# Allegro board RK_EVB7_RK3588_LP4XD200P232SD8_V11_20230111YWQ.brd (continued)
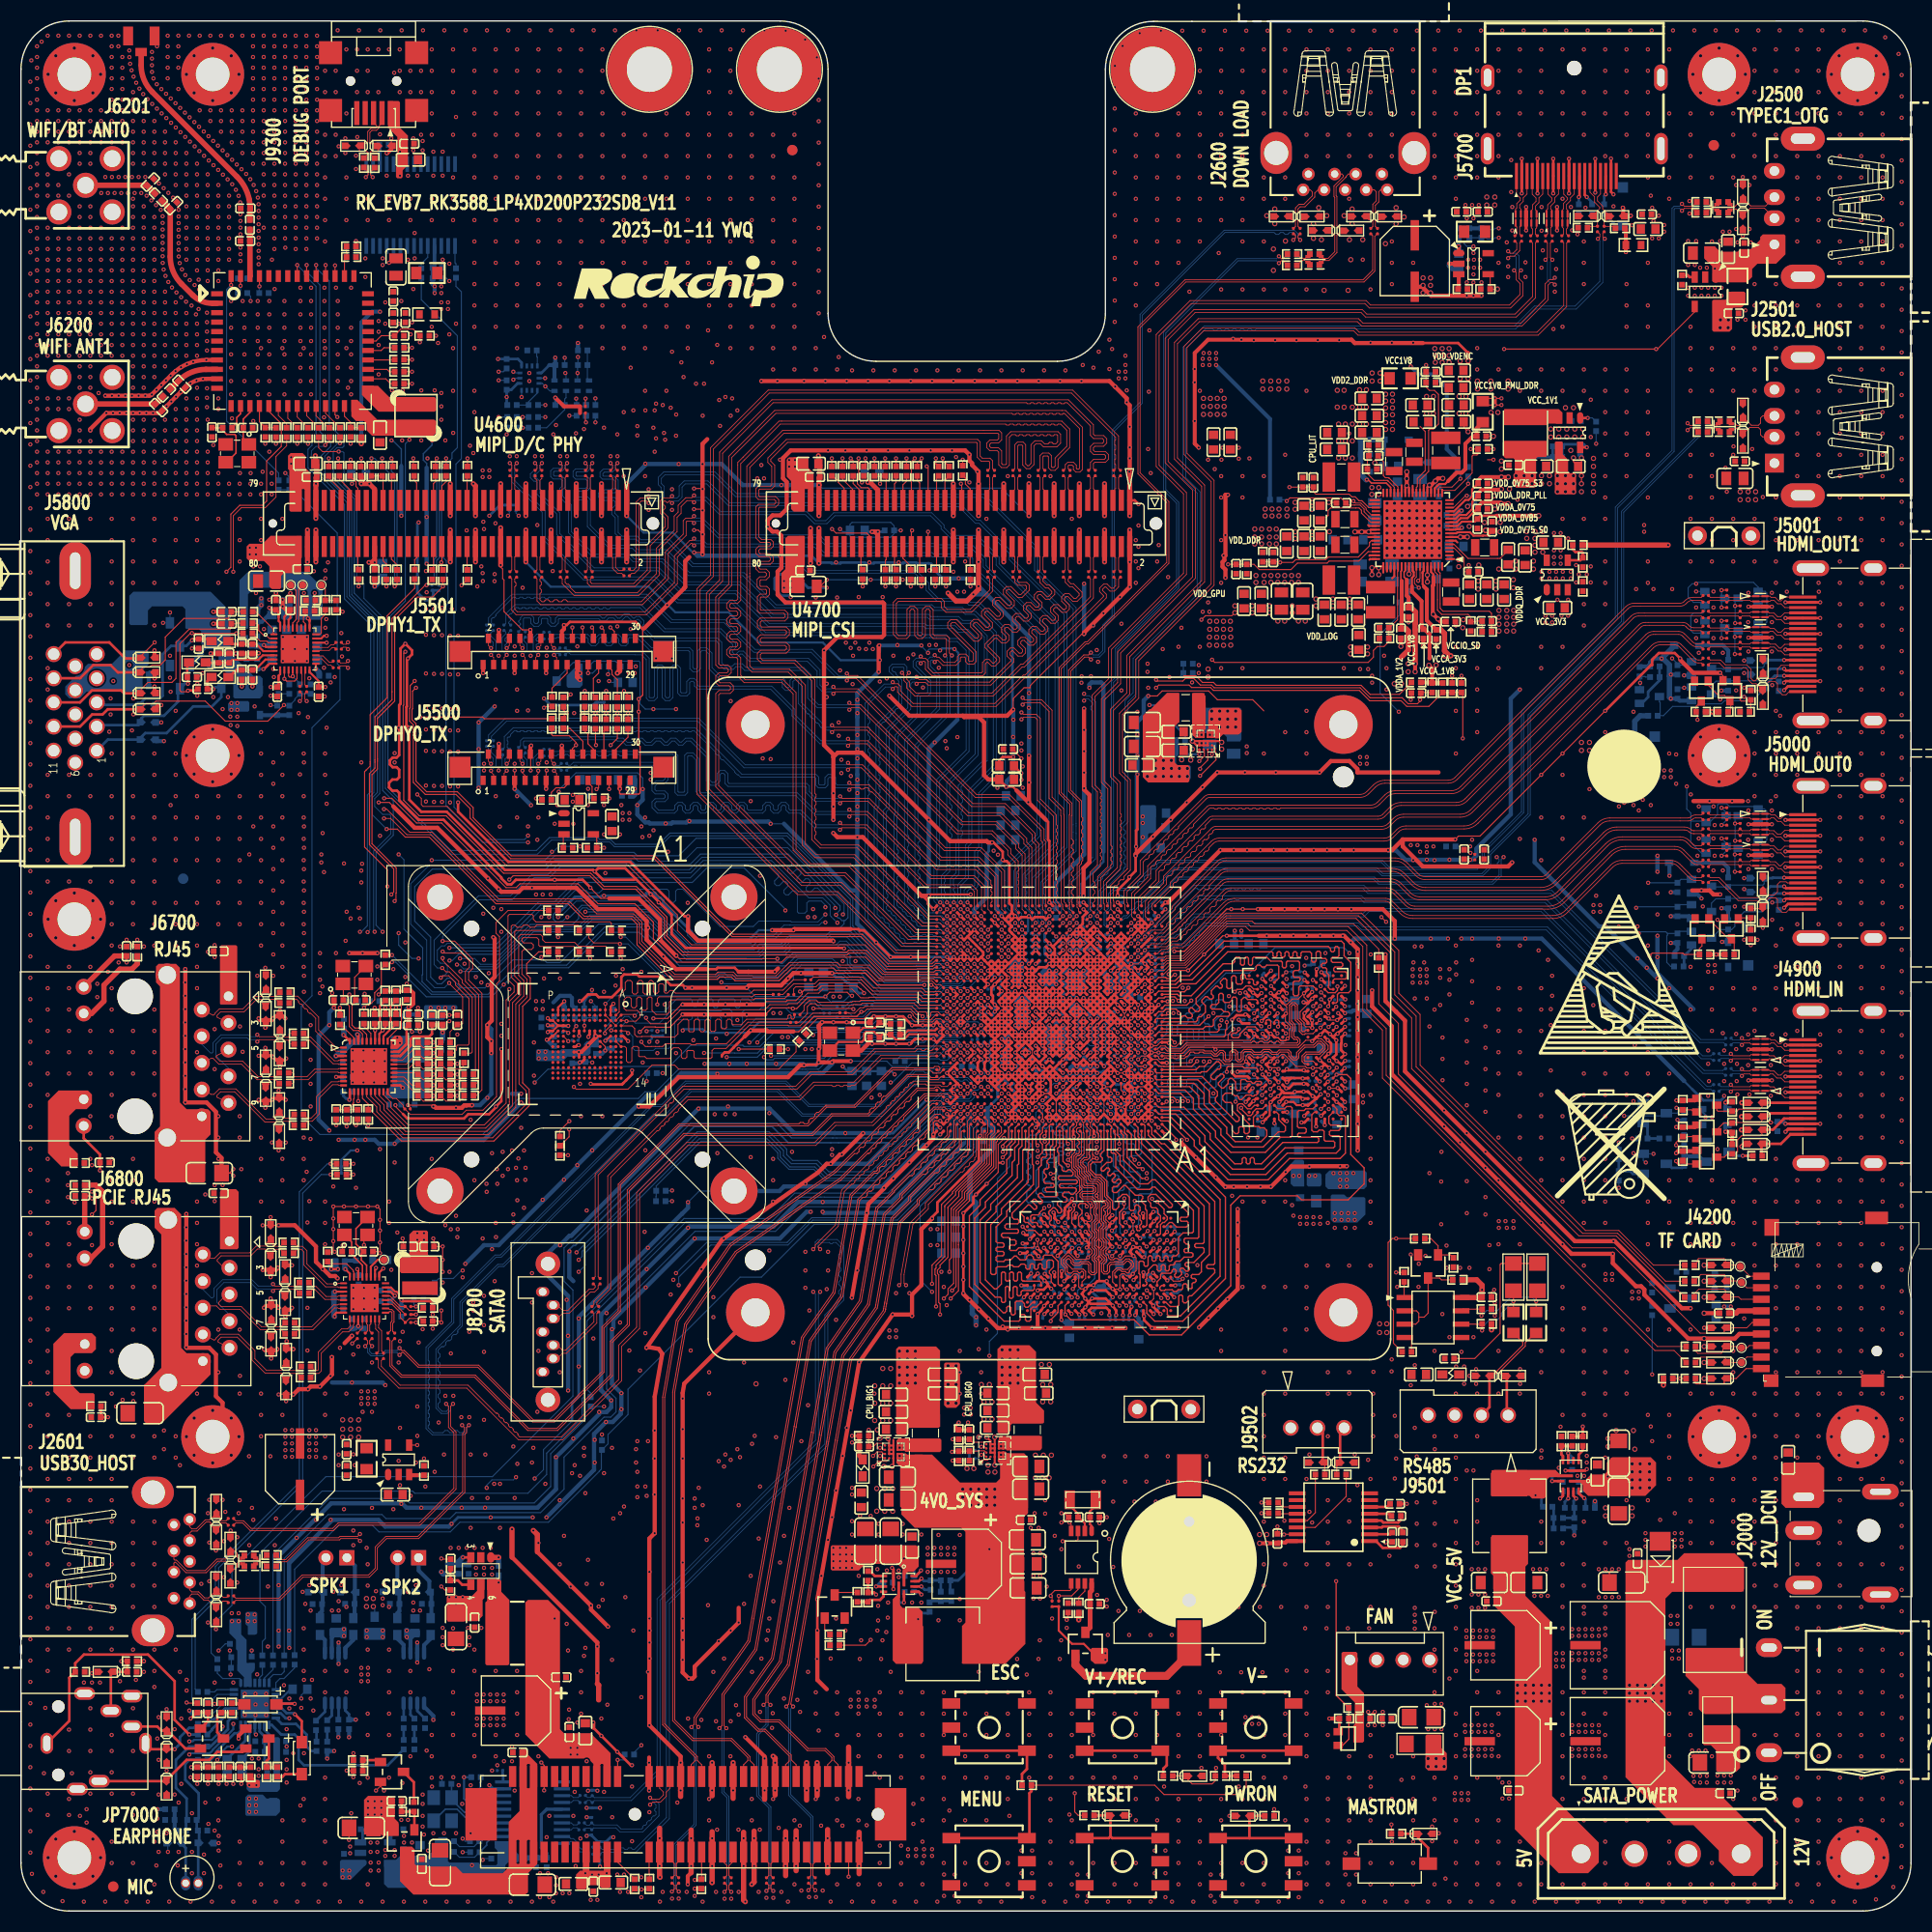
[diagram p0: board, top side]
## Footprints (pads in the part's own frame, mm; a bottom-side part is the same pattern mirrored in y, then rotated) (continued)
C0201
  custom 0.294x0.3 smd: 1(-0.25,0) 2(0.25,0)
C0402
  rect 0.55x0.55 smd: 1(-0.45,0) 2(0.45,0)
C0402_BGA
  custom 0.475x0.51 smd: 1(-0.47,0) 2(0.47,0)
C0603
  rect 0.8x0.9 smd: 1(-0.7,0) 2(0.7,0)
C0805
  rect 0.95x1.3 smd: 1(-0.825,0) 2(0.825,0)
C1206
  rect 1.4x1.6 smd: 1(-1.168,0) 2(1.168,0)
CN2M_2R00_V_P_DIP
  rect 1.45x1.45 hole 0.85: 1(0,0)
  round 1.45 hole 0.85: 2(2,0)
CN3M_2R54_V_P_DIP
  round 1.5 hole 1.02: 1(-2.54,0) 2(0,0) 3(2.54,0)
CN4M_2R54_V_E_DIP
  round 1.5 hole 1: 1(-3.81,0) 2(-1.27,0) 3(1.27,0) 4(3.81,0)
CN4M_2R54_V_P_DIP
  round 1.5 hole 1.02: 1(-3.81,0) 2(-1.27,0) 3(1.27,0) 4(3.81,0)
CNN30_1R00_FP05SL_V
  rect 0.5x0.9 smd: 1(-7.5,-1.25) 2(-7,1.25) 3(-6.5,-1.25) 4(-6,1.25) 5(-5.5,-1.25) 6(-5,1.25) 7(-4.5,-1.25) 8(-4,1.25) 9(-3.5,-1.25) 10(-3,1.25) 11(-2.5,-1.25) 12(-2,1.25) 13(-1.5,-1.25) 14(-1,1.25) 15(-0.5,-1.25) 16(0,1.25) 17(0.5,-1.25) 18(1,1.25) 19(1.5,-1.25) 20(2,1.25) 21(2.5,-1.25) 22(3,1.25) 23(3.5,-1.25) 24(4,1.25) 25(4.5,-1.25) 26(5,1.25) 27(5.5,-1.25) 28(6,1.25) 29(6.5,-1.25) 30(7,1.25)
  rect 2x2 smd: 31(-9.7,0) 32(9.7,0)
CNN80M_0R80_61082
  round 0.8 hole 0.8 unplated: (-18.1,0)
  round 1.2 hole 1.2 unplated: (18.1,0)
  rect 0.5x2 smd: 1(15.6,2.2) 2(15.6,-2.2) 3(14.8,2.2) 4(14.8,-2.2) 5(14,2.2) 6(14,-2.2) 7(13.2,2.2) 8(13.2,-2.2) 9(12.4,2.2) 10(12.4,-2.2) 11(11.6,2.2) 12(11.6,-2.2) 13(10.8,2.2) 14(10.8,-2.2) 15(10,2.2) 16(10,-2.2) 17(9.2,2.2) 18(9.2,-2.2) 19(8.4,2.2) 20(8.4,-2.2) 21(7.6,2.2) 22(7.6,-2.2) 23(6.8,2.2) 24(6.8,-2.2) 25(6,2.2) 26(6,-2.2) 27(5.2,2.2) 28(5.2,-2.2) 29(4.4,2.2) 30(4.4,-2.2) 31(3.6,2.2) 32(3.6,-2.2) 33(2.8,2.2) 34(2.8,-2.2) 35(2,2.2) 36(2,-2.2) 37(1.2,2.2) 38(1.2,-2.2) 39(0.4,2.2) 40(0.4,-2.2) 41(-0.4,2.2) 42(-0.4,-2.2) 43(-1.2,2.2) 44(-1.2,-2.2) 45(-2,2.2) 46(-2,-2.2) 47(-2.8,2.2) 48(-2.8,-2.2) 49(-3.6,2.2) 50(-3.6,-2.2) 51(-4.4,2.2) 52(-4.4,-2.2) 53(-5.2,2.2) 54(-5.2,-2.2) 55(-6,2.2) 56(-6,-2.2) 57(-6.8,2.2) 58(-6.8,-2.2) 59(-7.6,2.2) 60(-7.6,-2.2) 61(-8.4,2.2) 62(-8.4,-2.2) 63(-9.2,2.2) 64(-9.2,-2.2) 65(-10,2.2) 66(-10,-2.2) 67(-10.8,2.2) 68(-10.8,-2.2) 69(-11.6,2.2) 70(-11.6,-2.2) 71(-12.4,2.2) 72(-12.4,-2.2) 73(-13.2,2.2) 74(-13.2,-2.2) 75(-14,2.2) 76(-14,-2.2) 77(-14.8,2.2) 78(-14.8,-2.2) 79(-15.6,2.2) 80(-15.6,-2.2)
CON2_1X2_5R08_DIP
  round 1.8 hole 1: 1(0,0) 2(5.08,-0.016)
CRY2_3R20X1R50X0R90
  rect 1x1.8 smd: 1(-1.25,0) 2(1.25,0)
CRY4_3R20X2R50X0R80
  rect 1.4x1.2 smd: 1(-1.1,-0.85) 2(1.1,-0.85) 3(1.1,0.85) 4(-1.1,0.85)
DC3_DC_0007_5P
  round 2.2 hole 2.2 unplated: (4.1,0)
  oval 3.5x1.8 hole 2x0.8: 1(10.3,-3.2) 2(10.3,0) 3(10.3,5.2)
  oval 3.5x1.5 hole 2x0.6: 4(3,6.1) 5(3,-3.7)
DO_214AC
  rect 1.8x2 smd: 1(1.9,0) 2(-1.9,0)
DP20_G46A20X2101WEU
  round 1.4 hole 1.4 unplated: (0.248,3.084)
  rect 0.3x2.5 smd: 1(-5.252,-7.196) 2(-4.752,-7.196) 3(-4.252,-7.196) 4(-3.752,-7.196) 5(-3.252,-7.196) 6(-2.752,-7.196) 7(-2.252,-7.196) 8(-1.752,-7.196) 9(-1.252,-7.196) 10(-0.752,-7.196) 11(-0.252,-7.196) 12(0.248,-7.196) 13(0.748,-7.196) 14(1.248,-7.196) 15(1.748,-7.196) 16(2.248,-7.196) 17(2.748,-7.196) 18(3.248,-7.196) 19(3.748,-7.196) 20(4.248,-7.196)
  oval 1.3x2.5 hole 0.7x1.7: 21(-8.002,2.184) 22(8.498,2.184)
  oval 1.3x3 hole 0.7x2.2: 23(-8.012,-4.596) 24(8.508,-4.596)
DSUB15B
  round 1.524 hole 1.1: 1(0,0) 2(2.3,0) 3(4.6,0) 4(6.9,0) 5(9.2,0) 6(-1.15,2.05) 7(1.15,2.05) 8(3.45,2.05) 9(5.75,2.05) 10(8.05,2.05) 11(0,4.1) 12(2.3,4.1) 13(4.6,4.1) 14(6.9,4.1) 15(9.2,4.1)
  oval 5.5x3 hole 3.5x1: 16(-8.225,2.05) 17(17.145,2.05)
E-A
  rect 1.199x1.001 smd: 1(1.524,0) 2(-1.524,0)
E_C6
  rect 0.8x2.9 smd: 1(0,-2.45) 2(0,2.45)
E_E7
  rect 2.9x0.8 smd: 1(-3.05,0) 2(3.05,0)
ESD0402
  custom 0.868x0.636 smd: 1(-0.635,-0.02)
  custom 0.86x0.636 smd: 2(0.622,0)
F8050
  rect 2x5.5 smd: 1(-3.7,0) 2(3.7,0)
HDMIA19_HDMI_01A
  rect 0.3x2.6 smd: 1(0,0) 2(0.5,0) 3(1,0) 4(1.5,0) 5(2,0) 6(2.5,0) 7(3,0) 8(3.5,0) 9(4,0) 10(4.5,0) 11(5,0) 12(5.5,0) 13(6,0) 14(6.5,0) 15(7,0) 16(7.5,0) 17(8,0) 18(8.5,0) 19(9,0)
  oval 1.5x3.5 hole 0.9x2.7: 20(11.75,0.76) 21(-2.75,0.76)
  oval 1.5x2.5 hole 0.9x1.7: 22(-2.75,6.72) 23(11.75,6.72)
HOLE_C3R20_C6R00
  round 6 hole 3.2: 1(0,0)
IND_201610
  rect 0.8x1.6 smd: 1(-0.9,0) 2(0.9,0)
IND_303012
  rect 3.4x1.3 smd: 1(0,1.05) 2(0,-1.05)
IND_303015
  rect 3.4x1.3 smd: 1(0,1.05) 2(0,-1.05)
IND_322512
  rect 1.2x2.8 smd: 1(-1.2,0) 2(1.2,0)
IND_404026
  rect 1.5x4 smd: 1(-1.5,0) 2(1.5,0)
IND_606045
  rect 2.2x6 smd: 1(-1.9,0) 2(1.9,0)
IND_707028
  rect 2.5x3.4 smd: 1(-3.1,0) 2(3.1,0)
L0603
  rect 0.965x0.8 smd: 1(-0.8,0) 2(0.8,0)
LGA14_3R00X2R50X0R86
  rect 0.475x0.25 smd: 1(-1.162,0.75) 2(-1.162,0.25) 3(-1.162,-0.25) 4(-1.162,-0.75) 8(1.162,-0.75) 9(1.162,-0.25) 10(1.162,0.25) 11(1.162,0.75)
  rect 0.25x0.475 smd: 5(-0.5,-0.912) 6(0,-0.912) 7(0.5,-0.912) 12(0.5,0.913) 13(0,0.913) 14(-0.5,0.913)
MARK
  round 1 smd: 1(0,0)
MD50_AP6XXX_13R00X15R00X1R50
  rect 0.5x1.125 smd: 1(-4.5,-7.187) 2(-3.6,-7.187) 3(-2.7,-7.187) 4(-1.8,-7.187) 5(-0.9,-7.187) 6(0,-7.187) 7(0.9,-7.187) 8(1.8,-7.187) 9(2.7,-7.187) 10(3.6,-7.187) 11(4.5,-7.187) 26(4.5,7.187) 27(3.6,7.187) 28(2.7,7.187) 29(1.8,7.187) 30(0.9,7.187) 31(0,7.187) 32(-0.9,7.187) 33(-1.8,7.187) 34(-2.7,7.187) 35(-3.6,7.187) 36(-4.5,7.187)
  rect 1.125x0.5 smd: 12(6.187,-5.85) 13(6.187,-4.95) 14(6.187,-4.05) 15(6.187,-3.15) 16(6.187,-2.25) 17(6.187,-1.35) 18(6.187,-0.45) 19(6.187,0.45) 20(6.187,1.35) 21(6.187,2.25) 22(6.187,3.15) 23(6.187,4.05) 24(6.187,4.95) 25(6.187,5.85) 37(-6.187,5.85) 38(-6.187,4.95) 39(-6.187,4.05) 40(-6.187,3.15) 41(-6.187,2.25) 42(-6.187,1.35) 43(-6.187,0.45) 44(-6.187,-0.45) 45(-6.187,-1.35) 46(-6.187,-2.25) 47(-6.187,-3.15) 48(-6.187,-4.05) 49(-6.187,-4.95) 50(-6.187,-5.85)
MIC2_4020
  round 0.9 hole 0.66: 1(-0.6,0) 2(0.6,0)
MSOP8
  oval 1.3x0.41 smd: 1(-2.4,0.975) 2(-2.4,0.325) 3(-2.4,-0.325) 4(-2.4,-0.975) 5(2.4,-0.975) 6(2.4,-0.325) 7(2.4,0.325) 8(2.4,0.975)
OLGA8_4R00X1R50X1R00
  rect 0.6x0.4 smd: 1(-1.65,-0.5) 2(-0.55,-0.5) 3(0.55,-0.5) 4(1.65,-0.5) 5(1.65,0.5) 6(0.55,0.5) 7(-0.55,0.5) 8(-1.65,0.5)
PCIE64_X4_SMT
  round 1.2 hole 1.2 unplated: (0,0) (23.15,0)
  rect 3x5 smd: 1(-14.65,0) 2(24.35,0)
  rect 0.7x2 smd: A1(-11.65,3.6) A2(-10.65,3.6) A3(-9.65,3.6) A4(-8.65,3.6) A5(-7.65,3.6) A6(-6.65,3.6) A7(-5.65,3.6) A8(-4.65,3.6) A9(-3.65,3.6) A10(-2.65,3.6) A11(-1.65,3.6) A12(1.35,3.6) A13(2.35,3.6) A14(3.35,3.6) A15(4.35,3.6) A16(5.35,3.6) A17(6.35,3.6) A18(7.35,3.6) A19(8.35,3.6) A20(9.35,3.6) A21(10.35,3.6) A22(11.35,3.6) A23(12.35,3.6) A24(13.35,3.6) A25(14.35,3.6) A26(15.35,3.6) A27(16.35,3.6) A28(17.35,3.6) A29(18.35,3.6) A30(19.35,3.6) A31(20.35,3.6) A32(21.35,3.6) B1(-11.65,-3.6) B2(-10.65,-3.6) B3(-9.65,-3.6) B4(-8.65,-3.6) B5(-7.65,-3.6) B6(-6.65,-3.6) B7(-5.65,-3.6) B8(-4.65,-3.6) B9(-3.65,-3.6) B10(-2.65,-3.6) B11(-1.65,-3.6) B12(1.35,-3.6) B13(2.35,-3.6) B14(3.35,-3.6) B15(4.35,-3.6) B16(5.35,-3.6) B17(6.35,-3.6) B18(7.35,-3.6) B19(8.35,-3.6) B20(9.35,-3.6) B21(10.35,-3.6) B22(11.35,-3.6) B23(12.35,-3.6) B24(13.35,-3.6) B25(14.35,-3.6) B26(15.35,-3.6) B27(16.35,-3.6) B28(17.35,-3.6) B29(18.35,-3.6) B30(19.35,-3.6) B31(20.35,-3.6) B32(21.35,-3.6)
PJ8_B2339J
  round 1.2 hole 1.2 unplated: (0,3.5) (0,-3)
  oval 1.2x2 hole 0.7x1.5: 1(-1.1,0) 4(8.3,0)
  oval 2x1.2 hole 1.5x0.7: 2(7,1.6) 3(3.9,-3.6) 5(5,3.1) 6(7,4.5) 7(2.5,4.75) 8(1.8,-4.35)
QFN12_2R00X3R00X1R00
  rect 1.5x0.25 smd: 1(-0.55,0.5) 2(-0.55,-0.5) 7(0.55,0)
  rect 0.25x0.7 smd: 3(-0.75,-1.45) 4(-0.25,-1.45) 5(0.25,-1.45) 6(0.75,-1.45) 9(0.75,1.45) 10(0.25,1.45) 11(-0.25,1.45) 12(-0.75,1.45)
  rect 0.7x0.25 smd: 8(0.95,0.5)
QFN28_4R00X4R00X0R90_T
  oval 0.8x0.3 smd: 1(-2,1.35)
  rect 0.8x0.3 smd: 2(-2,0.9) 3(-2,0.45) 4(-2,0) 5(-2,-0.45) 6(-2,-0.9) 7(-2,-1.35) 15(2,-1.35) 16(2,-0.9) 17(2,-0.45) 18(2,0) 19(2,0.45) 20(2,0.9) 21(2,1.35)
  rect 0.3x0.8 smd: 8(-1.35,-2) 9(-0.9,-2) 10(-0.45,-2) 11(0,-2) 12(0.45,-2) 13(0.9,-2) 14(1.35,-2) 22(1.35,2) 23(0.9,2) 24(0.45,2) 25(0,2) 26(-0.45,2) 27(-0.9,2) 28(-1.35,2)
  rect 2.7x2.7 smd: 29(0,0)
QFN32_4R00X4R00X0R90_T
  oval 0.7x0.2 smd: 1(-2,1.4)
  rect 0.7x0.2 smd: 2(-2,1) 3(-2,0.6) 4(-2,0.2) 5(-2,-0.2) 6(-2,-0.6) 7(-2,-1) 8(-2,-1.4) 17(2,-1.4) 18(2,-1) 19(2,-0.6) 20(2,-0.2) 21(2,0.2) 22(2,0.6) 23(2,1) 24(2,1.4)
  rect 0.2x0.7 smd: 9(-1.4,-2) 10(-1,-2) 11(-0.6,-2) 12(-0.2,-2) 13(0.2,-2) 14(0.6,-2) 15(1,-2) 16(1.4,-2) 25(1.4,2) 26(1,2) 27(0.6,2) 28(0.2,2) 29(-0.2,2) 30(-0.6,2) 31(-1,2) 32(-1.4,2)
  rect 2.7x2.7 smd: 33(0,0)
QFN40_5R00X5R00X0R90_T
  rect 0.65x0.23 smd: 1(-2.4,1.8) 2(-2.4,1.4) 3(-2.4,1) 4(-2.4,0.6) 5(-2.4,0.2) 6(-2.4,-0.2) 7(-2.4,-0.6) 8(-2.4,-1) 9(-2.4,-1.4) 10(-2.4,-1.8) 21(2.4,-1.8) 22(2.4,-1.4) 23(2.4,-1) 24(2.4,-0.6) 25(2.4,-0.2) 26(2.4,0.2) 27(2.4,0.6) 28(2.4,1) 29(2.4,1.4) 30(2.4,1.8)
  rect 0.23x0.65 smd: 11(-1.8,-2.4) 12(-1.4,-2.4) 13(-1,-2.4) 14(-0.6,-2.4) 15(-0.2,-2.4) 16(0.2,-2.4) 17(0.6,-2.4) 18(1,-2.4) 19(1.4,-2.4) 20(1.8,-2.4) 31(1.8,2.4) 32(1.4,2.4) 33(1,2.4) 34(0.6,2.4) 35(0.2,2.4) 36(-0.2,2.4) 37(-0.6,2.4) 38(-1,2.4) 39(-1.4,2.4) 40(-1.8,2.4)
  rect 3.5x3.5 smd: 41(0,0)
QFN68_7R00X7R00X0R80_T
  oval 0.8x0.2 smd: 1(-3.5,2.8)
  rect 0.8x0.2 smd: 2(-3.5,2.45) 3(-3.5,2.1) 4(-3.5,1.75) 5(-3.5,1.4) 6(-3.5,1.05) 7(-3.5,0.7) 8(-3.5,0.35) 9(-3.5,0) 10(-3.5,-0.35) 11(-3.5,-0.7) 12(-3.5,-1.05) 13(-3.5,-1.4) 14(-3.5,-1.75) 15(-3.5,-2.1) 16(-3.5,-2.45) 17(-3.5,-2.8) 35(3.5,-2.8) 36(3.5,-2.45) 37(3.5,-2.1) 38(3.5,-1.75) 39(3.5,-1.4) 40(3.5,-1.05) 41(3.5,-0.7) 42(3.5,-0.35) 43(3.5,0) 44(3.5,0.35) 45(3.5,0.7) 46(3.5,1.05) 47(3.5,1.4) 48(3.5,1.75) 49(3.5,2.1) 50(3.5,2.45) 51(3.5,2.8)
  rect 0.2x0.8 smd: 18(-2.8,-3.5) 19(-2.45,-3.5) 20(-2.1,-3.5) 21(-1.75,-3.5) 22(-1.4,-3.5) 23(-1.05,-3.5) 24(-0.7,-3.5) 25(-0.35,-3.5) 26(0,-3.5) 27(0.35,-3.5) 28(0.7,-3.5) 29(1.05,-3.5) 30(1.4,-3.5) 31(1.75,-3.5) 32(2.1,-3.5) 33(2.45,-3.5) 34(2.8,-3.5) 52(2.8,3.5) 53(2.45,3.5) 54(2.1,3.5) 55(1.75,3.5) 56(1.4,3.5) 57(1.05,3.5) 58(0.7,3.5) 59(0.35,3.5) 60(0,3.5) 61(-0.35,3.5) 62(-0.7,3.5) 63(-1.05,3.5) 64(-1.4,3.5) 65(-1.75,3.5) 66(-2.1,3.5) 67(-2.45,3.5) 68(-2.8,3.5)
  rect 5.6x5.6 smd: 69(0,0)
R0201
  custom 0.294x0.3 smd: 1(-0.25,0) 2(0.25,0)
R0402
  rect 0.55x0.55 smd: 1(-0.45,0) 2(0.45,0)
R0603
  rect 0.65x0.8 smd: 1(-0.725,0) 2(0.725,0)
R0805
  rect 1x1.2 smd: 1(-1,0) 2(1,0)
R1206
  rect 1.4x1.6 smd: 1(-1.3,0) 2(1.3,0)
R1210
  rect 1.5x2.5 smd: 1(-1.3,0) 2(1.3,0)
RADIATOR_FAN_65RX65RX13R
  round 2 hole 2 unplated: (-23,28) (23,-28)
  round 5.6 hole 2.7: 1(-28,28) 2(28,28) 3(-28,-28) 4(28,-28)
RJ45_HR911130C
  round 3.4 hole 3.4 unplated: (-5.715,0) (5.715,0)
  rect 1.524x1.524 hole 0.9: 1(5.72,-8.89)
  round 1.524 hole 0.9: 2(4.45,-6.35) 3(3.18,-8.89) 4(1.91,-6.35) 5(0.64,-8.89) 6(-0.63,-6.35) 7(-1.9,-8.89) 8(-3.17,-6.35) 9(-4.44,-8.89) 10(-5.71,-6.35) 11(6.625,4.9) 12(4.085,4.9) 13(-4.085,4.9) 14(-6.625,4.9)
  round 2.2 hole 1.699: 15(-7.745,-3.05) 16(7.745,-3.05)
RP2_0405
  rect 0.5x0.3 smd: 1(-0.625,-0.275) 2(0.625,-0.275) 3(-0.625,0.275) 4(0.625,0.275)
SATA30_7P_V_DIP
  oval 0.92x1.27 hole 0.74: 1(0,0) 2(-1.27,1) 3(-2.54,1) 4(-3.81,0) 5(-5.08,1) 6(-6.35,1) 7(-7.62,0)
  round 2.35 hole 1.35: 8(2.67,0.5) 9(-10.29,0.5)
SATA-IDE4M_5R08_DIP
  round 2.5 hole 1.8: 1(0,0) 2(5.08,0) 3(10.16,0) 4(15.24,0)
SMTSO_M3_C4R1_C6R0_L5R0
  round 8 hole 4.3: 1(0,0)
SOD_123
  rect 1x1 smd: 1(-1.8,0) 2(1.8,0)
SOD_323
  rect 0.8x0.6 smd: 1(-1.2,0) 2(1.2,0)
SON10_2R50X1R00X0R50
  rect 0.2x0.68 smd: 1(-1,-0.437) 2(-0.5,-0.437) 4(0.5,-0.437) 5(1,-0.437) 6(1,0.437) 7(0.5,0.437) 9(-0.5,0.437) 10(-1,0.437)
  rect 0.4x0.75 smd: 3(0,-0.395) 8(0,0.395)
SOP8_4R00X5R00X1R75
  rect 0.5x1.6 smd: 1(-1.905,-2.675) 2(-0.635,-2.675) 3(0.635,-2.675) 4(1.905,-2.675) 5(1.905,2.675) 6(0.635,2.675) 7(-0.635,2.675) 8(-1.905,2.675)
SOT_23
  rect 0.8x1.1 smd: 1(-0.95,-1.1) 2(0.95,-1.1) 3(0,1.1)
SOT_23_5
  oval 1.1x0.6 smd: 1(0,0)
  rect 1.1x0.6 smd: 2(0,-1) 3(0,-2) 4(2.8,-2) 5(2.8,0)
SOT_23_6
  oval 1x0.7 smd: 1(-1.3,0.95)
  rect 1x0.7 smd: 2(-1.3,0) 3(-1.3,-0.95) 4(1.3,-0.95) 5(1.3,0) 6(1.3,0.95)
SOT_323
  rect 0.7x0.9 smd: 1(-0.65,-0.95) 2(0.65,-0.95) 3(0,0.95)
SSOP16_5R60X6R50X2R00
  rect 1.6x0.38 smd: 1(-3.45,2.275) 2(-3.45,1.625) 3(-3.45,0.975) 4(-3.45,0.325) 5(-3.45,-0.325) 6(-3.45,-0.975) 7(-3.45,-1.625) 8(-3.45,-2.275) 9(3.45,-2.275) 10(3.45,-1.625) 11(3.45,-0.975) 12(3.45,-0.325) 13(3.45,0.325) 14(3.45,0.975) 15(3.45,1.625) 16(3.45,2.275)
SSOP28_10R20X5R30X2R00
  rect 0.35x1.5 smd: 1(-4.225,-3.9) 2(-3.575,-3.9) 3(-2.925,-3.9) 4(-2.275,-3.9) 5(-1.625,-3.9) 6(-0.975,-3.9) 7(-0.325,-3.9) 8(0.325,-3.9) 9(0.975,-3.9) 10(1.625,-3.9) 11(2.275,-3.9) 12(2.925,-3.9) 13(3.575,-3.9) 14(4.225,-3.9) 15(4.225,3.9) 16(3.575,3.9) 17(2.925,3.9) 18(2.275,3.9) 19(1.625,3.9) 20(0.975,3.9) 21(0.325,3.9) 22(-0.325,3.9) 23(-0.975,3.9) 24(-1.625,3.9) 25(-2.275,3.9) 26(-2.925,3.9) 27(-3.575,3.9) 28(-4.225,3.9)
SW2_6R00X3R70X2R50
  rect 1.2x1.7 smd: 1(0,0) 2(0,7.3)
SW3_KCD1-11-3P-W
  oval 1.8x2.5 hole 0.8x1.5: 1(-5,0) 2(0,0) 3(5,0)
SW5_6R20X6R20X2R50
  rect 1.7x1 smd: 1(-3.6,2.3) 2(-3.6,-2.2) 3(3.6,-2.2) 4(3.6,2.3) 5(-3.6,0)
TF9_TFP09-2-12B
  round 1 hole 1 unplated: (0,4.051) (0,-3.929)
  rect 1.6x0.7 smd: 1(-11.001,3.201) 2(-11.001,2.101) 3(-11.001,1.001) 4(-11.001,-0.099) 5(-11.001,-1.199) 6(-11.001,-2.299) 7(-11.001,-3.399) 8(-11.001,-4.499) 9(-11.001,-5.599)
  rect 1.4x1.2 smd: 10(-10.061,-6.749)
  rect 2.2x1.2 smd: 11(-0.399,-6.749) 13(-0.02,8.751)
  rect 1.4x1.6 smd: 12(-10,7.851)
TP_0R50
  round 0.5 smd: 1(0,0)
TP_0R70
  round 0.7 smd: 1(0,0)
TSSOP8_3R10X3R10X1R10
  oval 1x0.45 smd: 1(-2.5,0.975)
  rect 1x0.45 smd: 2(-2.5,0.325) 3(-2.5,-0.325) 4(-2.5,-0.975) 5(2.5,-0.975) 6(2.5,-0.325) 7(2.5,0.325) 8(2.5,0.975)
TSSOP20_6R50X4R40X1R20
  rect 1.55x0.3 smd: 1(-2.8,2.925) 2(-2.8,2.275) 3(-2.8,1.625) 4(-2.8,0.975) 5(-2.8,0.325) 6(-2.8,-0.325) 7(-2.8,-0.975) 8(-2.8,-1.625) 9(-2.8,-2.275) 10(-2.8,-2.925) 11(2.8,-2.925) 12(2.8,-2.275) 13(2.8,-1.625) 14(2.8,-0.975) 15(2.8,-0.325) 16(2.8,0.325) 17(2.8,0.975) 18(2.8,1.625) 19(2.8,2.275) 20(2.8,2.925)
USB20A4_USB_AF_01_001
  rect 1.8x1.8 hole 0.92: 1(0,3.5)
  oval 2x1.5 hole 0.92: 2(0,1) 3(0,-1) 4(0,-3.5)
  oval 4.2x2.3 hole 2.3x1: 5(-2.71,6.57) 6(-2.71,-6.57)
USB20MIN5_USB_M5_03_002
  round 0.9 hole 0.9 unplated: (-0.18,2.2) (-0.18,-2.2)
  rect 2.286x0.508 smd: 1(2.875,1.6) 2(2.875,0.8) 3(2.875,0) 4(2.875,-0.8) 5(2.875,-1.6)
  rect 2.2x2.2 smd: 6(2.625,4.1) 7(2.625,-4.1) 8(-2.875,4.1) 9(-2.875,-4.1)
USB30A9_USB30_AF
  round 1.2 hole 0.7: 1(-3.5,-1.5) 2(-1,-1.5) 3(1,-1.5) 4(3.5,-1.5) 5(4,0) 6(2,0) 7(0,0) 8(-2,0) 9(-4,0)
  oval 3x4 hole 2.3: 10(-6.57,-3.5) 11(6.57,-3.51)
WLCSP20_1R65X2R05X0R63
  round 0.24 smd: A1(-0.6,0.8) A2(-0.2,0.8) A3(0.2,0.8) A4(0.6,0.8) B1(-0.6,0.4) B2(-0.2,0.4) B3(0.2,0.4) B4(0.6,0.4) C1(-0.6,0) C2(-0.2,0) C3(0.2,0) C4(0.6,0) D1(-0.6,-0.4) D2(-0.2,-0.4) D3(0.2,-0.4) D4(0.6,-0.4) E1(-0.6,-0.8) E2(-0.2,-0.8) E3(0.2,-0.8) E4(0.6,-0.8)
